# KiCad board yeti.kicad_pcb (continued)
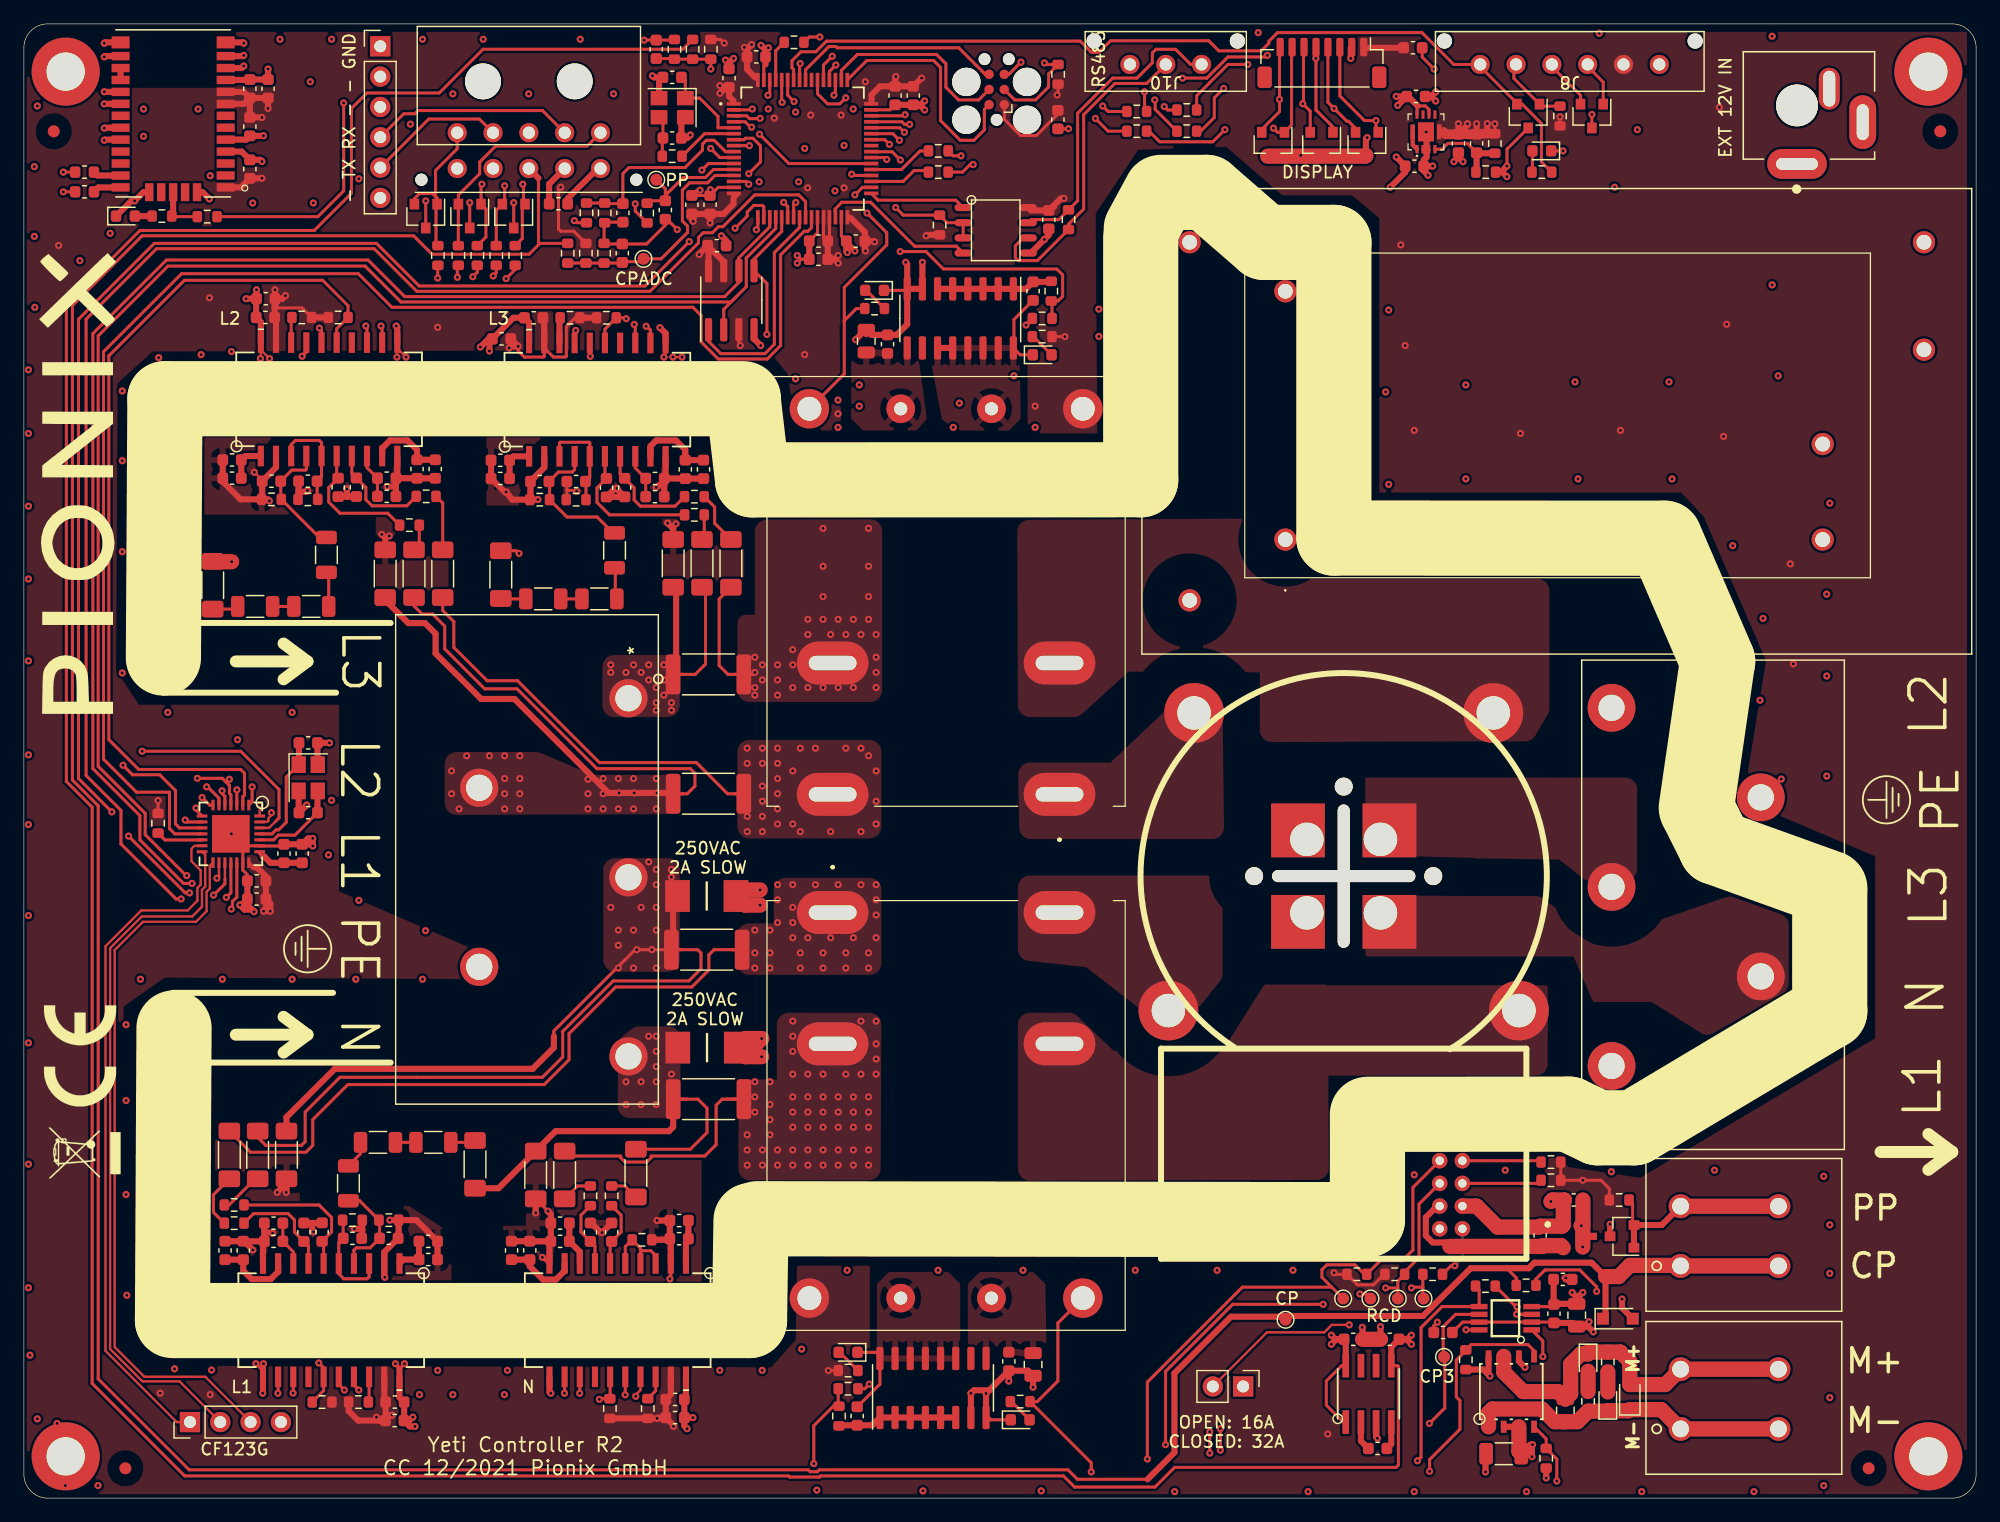
[diagram p0: board, top side]
## Footprints (pads in the part's own frame, mm; a bottom-side part is the same pattern mirrored in y, then rotated)
2604-1102
  round 2 hole 1.4: 1(0,0) 2(0,-8.2) 3(5,0) 4(5,-8.2)
2606-1105_010-000
  round 4 hole 2.2: 1(-15,6.5) 2(-7.5,-6) 3(0,6.5) 4(7.5,-6) 5(15,6.5)
2606-1105_increased_creepage
  round 3.2 hole 2.2: 1(-15,6.5) 2(-7.5,-6) 3(0,6.5) 4(7.5,-6) 5(15,6.5)
66200311122
  round 1.27 hole 1.27 unplated: (-6,-1.96) (6,-1.96)
  round 1.6 hole 1.02: 1(3,0) 2(0,0) 3(-3,0)
66200611122
  round 1.27 hole 1.27 unplated: (-10.5,-1.96) (10.5,-1.96)
  round 1.6 hole 1.02: 1(7.5,0) 2(4.5,0) 3(1.5,0) 4(-1.5,0) 5(-4.5,0) 6(-7.5,0)
66201021022_66201021122
  round 1.02 hole 1.02 unplated: (-9,3.94) (9,3.94)
  round 3 hole 3 unplated: (-3.84,-4.3) (3.84,-4.3)
  round 1.6 hole 1.02: 1(-6,3) 2(-3,3) 3(0,3) 4(3,3) 5(6,3) 6(-6,0) 7(-3,0) 8(0,0) 9(3,0) 10(6,0)
ADE7933ARIZ
  rect 1.721x0.511 smd: 1(-4.75,5.715) 2(-4.75,4.445) 3(-4.75,3.175) 4(-4.75,1.905) 5(-4.75,0.635) 6(-4.75,-0.635) 7(-4.75,-1.905) 8(-4.75,-3.175) 9(-4.75,-4.445) 10(-4.75,-5.715) 11(4.75,-5.715) 12(4.75,-4.445) 13(4.75,-3.175) 14(4.75,-1.905) 15(4.75,-0.635) 16(4.75,0.635) 17(4.75,1.905) 18(4.75,3.175) 19(4.75,4.445) 20(4.75,5.715)
ADE7978ACPZ-RL
  rect 1x1 smd: (-0.8,0.8) (-0.8,-0.8) (0.8,0.8) (0.8,-0.8)
  rect 0.889x0.254 smd: 1(-2.413,1.5) 2(-2.413,1) 3(-2.413,0.5) 4(-2.413,0) 5(-2.413,-0.5) 6(-2.413,-1) 7(-2.413,-1.5) 15(2.413,-1.5) 16(2.413,-1) 17(2.413,-0.5) 18(2.413,0) 19(2.413,0.5) 20(2.413,1) 21(2.413,1.5)
  rect 0.254x0.889 smd: 8(-1.5,-2.413) 9(-1,-2.413) 10(-0.5,-2.413) 11(0,-2.413) 12(0.5,-2.413) 13(1,-2.413) 14(1.5,-2.413) 22(1.5,2.413) 23(1,2.413) 24(0.5,2.413) 25(0,2.413) 26(-0.5,2.413) 27(-1,2.413) 28(-1.5,2.413)
  rect 3.15x3.15 smd: 29(0,0)
AHES4291
  oval 6x3.6 hole 4x1.2: 1(9.5,-15.55) 2(9.5,-4.55) 7(-9.5,-4.55) 8(-9.5,-15.55)
  round 3.3 hole 2: 3(11.45,16.75) 6(-11.45,16.75)
  round 2.4 hole 1.1: 4(3.8,16.75) 5(-3.8,16.75)
BD6221F-E2
  rect 1.016x0.483 smd: 1(-2.946,1.905) 2(-2.946,0.635) 3(-2.946,-0.635) 4(-2.946,-1.905) 5(2.946,-1.905) 6(2.946,-0.635) 7(2.946,0.635) 8(2.946,1.905)
C_0603_1608Metric
  rrect 0.9x0.95 smd: 1(-0.775,0) 2(0.775,0)
C_0805_2012Metric
  rrect 1x1.45 smd: 1(-0.95,0) 2(0.95,0)
C_1206_3216Metric
  rrect 1.15x1.8 smd: 1(-1.475,0) 2(1.475,0)
Crystal_SMD_SeikoEpson_FA238-4Pin_3.2x2.5mm
  rect 1.4x1.2 smd: 1(-1.1,-0.8) 2(1.1,-0.8) 3(1.1,0.8) 4(-1.1,0.8)
CUI_PJ-032B
  round 3.5 hole 3.5 unplated: (0,0)
  oval 2.5x5 hole 1x3.5: 1(-4.9,0)
  oval 4.5x2.25 hole 3x1: 2(-1.4,-5.5)
  oval 3.5x1.75 hole 3x1: 3(1.4,-2.7)
D_SOD-323
  rect 0.6x0.45 smd: 1(-1.05,0) 2(1.05,0)
D_SOD-323_HandSoldering
  rect 1x1 smd: 1(-1.25,0) 2(1.25,0)
Fiducial_1mm_Mask3mm
  round 1 smd: (0,0)
FUSC6125X236N
  rect 2.07x2.66 smd: 1(-2.45,0) 2(2.45,0)
JST_SH_BM08B-SRSS-TB_1x08-1MP_P1.00mm_Vertical
  rrect 0.6x1.55 smd: 1(-3.5,-1.325) 2(-2.5,-1.325) 3(-1.5,-1.325) 4(-0.5,-1.325) 5(0.5,-1.325) 6(1.5,-1.325) 7(2.5,-1.325) 8(3.5,-1.325)
  rrect 1.2x1.8 smd: MP(-4.8,1.2) MP(4.8,1.2)
L_0603_1608Metric
  rrect 0.875x0.95 smd: 1(-0.787,0) 2(0.787,0)
L_1806_4516Metric
  rrect 1.4x1.8 smd: 1(-2,0) 2(2,0)
LCC100P960X1400X210-31N
  rect 1.5x0.7 smd: 1(4.4,-6.2) 2(4.4,-5.2) 3(4.4,-4.2) 4(4.4,-3.2) 5(4.4,-2.2) 6(4.4,-1.2) 7(4.4,-0.2) 8(4.4,0.8) 9(4.4,1.8) 10(4.4,2.8) 11(4.4,3.8) 12(4.4,4.8) 15(-4.4,4.8) 16(-4.4,3.8) 17(-4.4,2.8) 18(-4.4,1.8) 19(-4.4,0.8) 20(-4.4,-0.2) 21(-4.4,-1.2) 22(-4.4,-2.2) 23(-4.4,-3.2) 24(-4.4,-4.2) 25(-4.4,-5.2) 26(-4.4,-6.2)
  rect 1.5x1 smd: 13(4.4,5.95) 14(-4.4,5.95)
  rect 0.7x1.5 smd: 27(-2,-6.6) 28(-1,-6.6) 29(0,-6.6) 30(1,-6.6) 31(2,-6.6)
LED_0603_1608Metric
  rrect 0.875x0.95 smd: 1(-0.787,0) 2(0.787,0)
MountingHole_3.2mm_M3_ISO7380_Pad_TopBottom
  round 3.6 hole 3.2: 1(0,0)
  round 5.7 smd: 1(0,0)
  round 5.7 smd far side: 1(0,0)
MPM3012_dualsocket
  round 1.86 hole 1.24: 1(22.733,9.906) 1(30.75,15) 2(22.733,-10.894) 2(30.75,-15) 3(-30.75,-15) 3(-22.267,1.906) 4(-30.75,-6) 4(-22.267,9.906)
MYRGC075050S31RA
  rect 0.37x1.4 smd: (-0.385,0) (0.385,0)
  rect 0.25x0.7 smd: 1(-0.75,-1.45) 2(-0.25,-1.45) 3(0.25,-1.45) 4(0.75,-1.45) 5(0.75,1.45) 6(0.25,1.45) 7(-0.25,1.45) 8(-0.75,1.45)
  rect 0.38x1.25 smd: 9(-1.11,0) 10(1.11,0)
  rect 1.34x1.6 smd: 11(0,0)
PinHeader_1x02_P2.54mm_Vertical
  rect 1.7x1.7 hole 1: 1(0,0)
  oval 1.7x1.7 hole 1: 2(0,-2.54)
PinHeader_1x04_P2.54mm_Vertical
  rect 1.7x1.7 hole 1: 1(0,0)
  oval 1.7x1.7 hole 1: 2(0,-2.54) 3(0,-5.08) 4(0,-7.62)
PinHeader_1x06_P2.54mm_Vertical
  rect 1.7x1.7 hole 1: 1(0,0)
  oval 1.7x1.7 hole 1: 2(0,-2.54) 3(0,-5.08) 4(0,-7.62) 5(0,-10.16) 6(0,-12.7)
R_0603_1608Metric
  rrect 0.8x0.95 smd: 1(-0.825,0) 2(0.825,0)
R_1206_3216Metric
  rrect 1.125x1.75 smd: 1(-1.462,0) 2(1.462,0)
SOIC-8_3.9x4.9mm_P1.27mm
  rrect 1.95x0.6 smd: 1(-2.475,1.905) 2(-2.475,0.635) 3(-2.475,-0.635) 4(-2.475,-1.905) 5(2.475,-1.905) 6(2.475,-0.635) 7(2.475,0.635) 8(2.475,1.905)
SOIC-16_3.9x9.9mm_P1.27mm
  rrect 1.95x0.6 smd: 1(-2.475,4.445) 2(-2.475,3.175) 3(-2.475,1.905) 4(-2.475,0.635) 5(-2.475,-0.635) 6(-2.475,-1.905) 7(-2.475,-3.175) 8(-2.475,-4.445) 9(2.475,-4.445) 10(2.475,-3.175) 11(2.475,-1.905) 12(2.475,-0.635) 13(2.475,0.635) 14(2.475,1.905) 15(2.475,3.175) 16(2.475,4.445)
SOP65P490X110-8N
  rect 1.4x0.45 smd: 1(-2.2,0.975) 2(-2.2,0.325) 3(-2.2,-0.325) 4(-2.2,-0.975) 5(2.2,-0.975) 6(2.2,-0.325) 7(2.2,0.325) 8(2.2,0.975)
SOT95P280X145-3N
  rect 1.05x0.6 smd: 1(-1.3,0.95) 2(-1.3,-0.95) 3(1.3,0)
SOT-23
  rect 0.9x0.8 smd: 1(-1,0.95) 2(-1,-0.95) 3(1,0)
STM32G431RBT6
  rect 1.194x0.305 smd: 1(-5.75,3.75) 2(-5.75,3.25) 3(-5.75,2.75) 4(-5.75,2.25) 5(-5.75,1.75) 6(-5.75,1.25) 7(-5.75,0.75) 8(-5.75,0.25) 9(-5.75,-0.25) 10(-5.75,-0.75) 11(-5.75,-1.25) 12(-5.75,-1.75) 13(-5.75,-2.25) 14(-5.75,-2.75) 15(-5.75,-3.25) 16(-5.75,-3.75) 33(5.75,-3.75) 34(5.75,-3.25) 35(5.75,-2.75) 36(5.75,-2.25) 37(5.75,-1.75) 38(5.75,-1.25) 39(5.75,-0.75) 40(5.75,-0.25) 41(5.75,0.25) 42(5.75,0.75) 43(5.75,1.25) 44(5.75,1.75) 45(5.75,2.25) 46(5.75,2.75) 47(5.75,3.25) 48(5.75,3.75)
  rect 0.305x1.194 smd: 17(-3.75,-5.75) 18(-3.25,-5.75) 19(-2.75,-5.75) 20(-2.25,-5.75) 21(-1.75,-5.75) 22(-1.25,-5.75) 23(-0.75,-5.75) 24(-0.25,-5.75) 25(0.25,-5.75) 26(0.75,-5.75) 27(1.25,-5.75) 28(1.75,-5.75) 29(2.25,-5.75) 30(2.75,-5.75) 31(3.25,-5.75) 32(3.75,-5.75) 49(3.75,5.75) 50(3.25,5.75) 51(2.75,5.75) 52(2.25,5.75) 53(1.75,5.75) 54(1.25,5.75) 55(0.75,5.75) 56(0.25,5.75) 57(-0.25,5.75) 58(-0.75,5.75) 59(-1.25,5.75) 60(-1.75,5.75) 61(-2.25,5.75) 62(-2.75,5.75) 63(-3.25,5.75) 64(-3.75,5.75)
T60404-N4641-X920
  round 1.5 hole 1.5 unplated: (-7.5,0) (0,7.5) (7.5,0)
  oval 1x12 hole 1x12 unplated: (0,0)
  oval 12x1 hole 12x1 unplated: (0,0)
  round 1.3 hole 0.7: 1(9.94,-23.84) 2(8.04,-23.84) 3(9.94,-25.74) 4(8.04,-25.74) 5(9.94,-27.64) 6(8.04,-27.64) 7(9.94,-29.54) 8(8.04,-29.54)
  round 5 hole 2.8: 9(-14.68,-11.26) 11(-12.53,13.67) 13(12.53,13.67) 15(14.68,-11.26)
  custom 4.5x4.5 hole 2.8: 10(-3.08,-3.08) 12(-3.08,3.08) 14(3.08,3.08) 16(3.08,-3.08)
Tag-Connect_TC2030-IDC-FP_2x03_P1.27mm_Vertical
  round 2.375 hole 2.375 unplated: (-2.54,2.54) (-2.54,-2.54) (0.635,2.54) (0.635,-2.54)
  round 0.991 hole 0.991 unplated: (-2.54,0) (2.54,1.016) (2.54,-1.016)
  round 0.787 smd: 1(-1.27,-0.635) 2(-1.27,0.635) 3(0,-0.635) 4(0,0.635) 5(1.27,-0.635) 6(1.27,0.635)
TC1044SEOA
  rect 1.981x0.559 smd: 1(-2.362,1.905) 2(-2.362,0.635) 3(-2.362,-0.635) 4(-2.362,-1.905) 5(2.362,-1.905) 6(2.362,-0.635) 7(2.362,0.635) 8(2.362,1.905)
TestPoint_Pad_D1.0mm
  round 1 smd: 1(0,0)
THVD1450DR
  oval 1.45x0.6 smd: 1(-2.725,1.905) 2(-2.725,0.635) 3(-2.725,-0.635) 4(-2.725,-1.905) 5(2.725,-1.905) 6(2.725,-0.635) 7(2.725,0.635) 8(2.725,1.905)
WSLF2512L5000FEA
  rrect 1.225x3.35 smd: 1(-2.962,0) 2(2.962,0)
  rect 0.508x0.254 smd: 1(-2.286,0) 2(2.286,0)

## Nets
+3V3: C3.2 C4.2 C19.2 C20.2 C29.2 C30.2 C41.2 C42.2 C53.2 C54.2 C56.1 C57.1 C58.1 C59.1 C60.1 C61.1 C62.1 C64.1 C65.1 C66.1 C67.1 C68.2 C69.1 C72.2 C73.2 C75.2 C76.2 C83.1 C84.1 J7.1 J8.5 J13.1 K1.3 K2.3 PS1.10 R1.1 R14.1 R33.1 R35.1 R44.2 R45.2 R49.2 R50.2 R59.2 R60.2 R69.2 R70.2 R75.1 R77.1 R81.2 R83.2 R91.1 R115.1 R129.1 R130.1 R131.1 R134.1 U3.3 U3.7 U3.8 U4.1 U4.8 U4.9 U10.21 U11.19 U12.19 U13.19 U14.19 U16.1 U16.16 U16.28 U16.29 U16.32 U16.48 U16.64 U20.8
+5V: C79.1 U5.2 U29.6
+12V: C1.2 C2.2 C55.1 C63.1 C74.1 C77.2 C80.1 C85.1 C86.2 C94.2 C95.2 C104.1 C110.2 J9.1 K1.5 K2.5 PS1.6 PS1.8 PS3.3 R86.1 U1.1 U5.3 U9.9 U15.4 U15.8 U25.2 U25.3 U25.6 U27.9 U28.1 U28.8
-12V: C55.2 C74.2 C87.1 C111.2 R90.2 U15.2 U15.7 U28.5
/Power Meter/AFE_A/AGND_ADC: C9.2 C10.1 C11.2 C12.1 C13.1 C14.1 C15.1 C16.1 C17.1 C18.1 FB3.1 R42.1 R43.2 U11.2 U11.10
/Power Meter/AFE_A/V1P: C11.1 R39.1 R42.2 U11.4
/Power Meter/AFE_B/AGND_ADC: C31.2 C32.1 C33.2 C34.1 C35.1 C36.1 C37.1 C38.1 C39.1 C40.1 FB10.1 R57.1 R58.2 U13.2 U13.10
/Power Meter/AFE_B/V1P: C33.1 R54.1 R57.2 U13.4
/Power Meter/AFE_C/AGND_ADC: C43.2 C44.1 C45.2 C46.1 C47.1 C48.1 C49.1 C50.1 C51.1 C52.1 FB14.1 R67.1 R68.2 U14.2 U14.10
/Power Meter/AFE_C/V1P: C45.1 R64.1 R67.2 U14.4
/Power Meter/Neutral AFE/AGND_ADC: C21.2 C22.1 C23.1 C24.1 C25.1 C26.1 C27.1 C28.1 FB6.1 R110.1 U12.2 U12.10
/Power Meter/Neutral AFE/V1P: R110.2 U12.3 U12.4 U12.5
GND: C1.1 C2.1 C3.1 C4.1 C5.1 C6.1 C7.1 C8.1 C19.1 C20.1 C29.1 C30.1 C41.1 C42.1 C53.1 C54.1 C56.2 C57.2 C58.2 C59.2 C60.2 C61.2 C62.2 C63.2 C64.2 C65.2 C66.2 C67.2 C68.1 C69.2 C70.1 C71.1 C72.1 C73.1 C75.1 C76.1 C77.1 C79.2 C80.2 C81.2 C82.2 C84.2 C85.2 C86.1 C87.2 C88.2 C89.2 C94.1 C95.1 C104.2 C110.1 C111.1 D2.3 D3.3 D4.3 D5.3 D6.3 D7.3 D8.3 D9.3 D10.1 D11.1 D14.2 D15.1 D16.3 D36.1 H1.1 H2.1 H3.1 H4.1 J1.4 J3.4 J5.4 J6.1 J7.2 J8.6 J9.2 J10.1 J11.1 J13.5 PS1.2 PS1.3 PS1.11 PS3.4 R15.2 R17.2 R29.2 R71.2 R76.2 R87.2 R92.2 R98.2 R99.2 R114.2 U1.2 U1.4 U1.8 U3.4 U4.4 U4.5 U4.10 U4.11 U4.12 U4.13 U4.14 U4.15 U4.18 U4.19 U4.21 U4.22 U4.27 U4.31 U5.1 U9.7 U9.8 U10.20 U10.23 U10.29 U11.11 U11.20 U12.11 U12.20 U13.11 U13.20 U14.11 U14.20 U15.3 U16.15 U16.27 U16.31 U16.47 U16.63 U20.5 U25.8 U27.7 U27.8 U28.3 U29.5 Y1.2 Y1.4 Y2.2 Y2.4
/CAM-M8Q/1PPS: R13.2 R16.2 U4.29
/CAM-M8Q/RF: U4.16 U4.17
/CAM-M8Q/RXD: FB16.2 U16.22
/CAM-M8Q/TXD: FB17.1 U16.23
/CP_EVSE: D14.1 J2.1 J2.2 R72.1 R74.2 TP1.1 U1.3
/Display/DISPLAY_DC: R10.2 U16.44
/Display/DISPLAY_RESET: R11.2 U16.45
/Display/GPIO: R9.2 U16.43
/Display/SPI_CS: R12.2 U16.46
/Display/SPI_MOSI: R8.2 U16.37
/Display/SPI_SCK: R7.2 U16.35
/EVSE Charging port/CP_3V3: TP5.1 U15.6 U16.8
/EVSE Charging port/CP_ENABLE: R71.1 U15.5 U16.62
/EVSE Charging port/CP_OUT_ADC: C88.1 R74.1 R75.2 R76.1 TP6.1 U16.13
/EVSE Charging port/EVSE_PP: D8.1 D8.2 J2.3 J2.4 R77.2 R113.1
/EVSE Charging port/L1_IN: J3.1 U29.10
/EVSE Charging port/L2_IN: J3.5 U29.12
/EVSE Charging port/L3_IN: J3.3 U29.14
/EVSE Charging port/N_IN: J3.2 U29.16
/EVSE Charging port/PP_3V3: C89.1 R113.2 TP7.1 U16.12
/Hi Level Connector/SLEEP: R6.2 U16.18
/Low Level Controller/ADC_12V: C81.1 R86.2 R87.1 U16.9
/Low Level Controller/ADC_N12V: C82.1 R90.1 R91.2 R92.1 U16.10
/Low Level Controller/CFG: J11.2 U16.40
/Low Level Controller/FRAM_CS: U3.1 U16.24
/Low Level Controller/GPIO1: D9.2 J8.1 R93.2 U16.58
/Low Level Controller/GPIO2: D9.1 J8.2 R1.2 U16.42
/Low Level Controller/GPIO3: D16.2 J8.3 U16.53
/Low Level Controller/GPIO4: D16.1 J8.4 U16.52
/Low Level Controller/LOCK_F: R98.1 U16.59 U25.4
/Low Level Controller/LOCK_R: R99.1 U16.60 U25.5
/Low Level Controller/METER_CS: U10.16 U16.25
/Low Level Controller/MIRROR_L1: K2.6 R32.2 U16.54
/Low Level Controller/MIRROR_L2L3: K1.6 R31.2 U16.34
/Low Level Controller/NRESET: J13.3 R3.2 R83.1 U16.7
/Low Level Controller/PM_IRQ0: U10.10 U16.11
/Low Level Controller/PM_IRQ1: U10.11 U16.26
/Low Level Controller/POWER_SWITCH_L1: R27.2 R29.1 U16.51
/Low Level Controller/POWER_SWITCH_L2L3: R28.2 R114.1 U16.39
/Low Level Controller/SWCLK: J13.4 U16.50
/Low Level Controller/SWDIO: J13.2 U16.49
/Low Level Controller/SWO: J13.6 U16.56
/Low Level Controller/UART2_RX: R4.2 U16.17
/Low Level Controller/UART2_TX: R5.2 U16.14
/Low Level Controller/UART3_DE: R81.1 U16.36 U20.2 U20.3
/Low Level Controller/UART3_RX: U16.33 U20.1
/Low Level Controller/UART3_TX: U16.30 U20.4
/MISO: U3.2 U10.18 U16.20
/MOSI: U3.5 U10.19 U16.21
/Power Meter/AFE_A/DATA: R44.1 U10.28 U11.15
/Power Meter/AFE_A/IM: C10.2 R41.2 U11.6
/Power Meter/AFE_A/IP: C9.1 R40.2 U11.7
/Power Meter/AFE_A/VM: C12.2 R43.1 U11.3 U11.5
/Power Meter/AFE_A/VT: U10.27 U11.17
/Power Meter/AFE_B/DATA: R59.1 U10.2 U13.15
/Power Meter/AFE_B/IM: C32.2 R56.2 U13.6
/Power Meter/AFE_B/IP: C31.1 R55.2 U13.7
/Power Meter/AFE_B/VM: C34.2 R58.1 U13.3 U13.5
/Power Meter/AFE_B/VT: U10.1 U13.17
/Power Meter/AFE_C/DATA: R69.1 U10.7 U14.15
/Power Meter/AFE_C/IM: C44.2 R66.2 U14.6
/Power Meter/AFE_C/IP: C43.1 R65.2 U14.7
/Power Meter/AFE_C/VM: C46.2 R68.1 U14.3 U14.5
/Power Meter/AFE_C/VT: U10.6 U14.17
/Power Meter/CF1: J5.1 U10.13
/Power Meter/CF2: J5.2 U10.14
/Power Meter/CF3: J5.3 U10.15
/Power Meter/CLKOUT: U10.4 U11.13 U12.13 U13.13 U14.13
/Power Meter/L1_IN: F1.2 FB3.2 FB4.2 J1.3 R36.2
/Power Meter/L1_OUT: FB2.2 K2.1 R36.1
/Power Meter/L2_IN: FB10.2 FB11.2 J1.2 R51.2
/Power Meter/L2_OUT: FB9.2 K1.8 R51.1
/Power Meter/L3_IN: FB14.2 FB15.2 J1.1 R61.2
/Power Meter/L3_OUT: FB13.2 K1.7 R61.1
/Power Meter/N_IN: F2.2 FB1.2 FB6.2 FB7.2 FB8.2 FB12.2 J1.5 R46.2
/Power Meter/N_OUT: FB5.2 K2.2 R46.1
/Power Meter/Neutral AFE/DATA: R49.1 U10.9 U12.15
/Power Meter/Neutral AFE/IM: C22.2 R48.2 U12.6
/Power Meter/Neutral AFE/IP: C21.1 R47.2 U12.7
/Power Meter/Neutral AFE/VT: U10.8 U12.17
/Power Meter/RESET_EN: U10.3 U11.16 U12.16 U13.16 U14.16
/Power Meter/SYNC: U10.5 U11.12 U12.12 U13.12 U14.12
/Power Supplies/L: F1.1 PS3.2
/Power Supplies/N: F2.1 PS3.1
/Power Switch Relais/L1_OUT: K2.8 U29.9
/Power Switch Relais/L2_OUT: K1.1 U29.11
/Power Switch Relais/L3_OUT: K1.2 U29.13
/Power Switch Relais/N_OUT: K2.7 U29.15
/Power Switch Relais/RELAIS1: C93.1 D12.1 K2.4 U9.11 U9.12 U9.13 U9.14 U9.15 U9.16
/Power Switch Relais/RELAIS2: C91.1 D13.1 K1.4 U27.11 U27.12 U27.13 U27.14 U27.15 U27.16
/RCD_AC_ERROR: R131.2 TP3.1 U16.4 U29.4
/RCD_DC_ERROR: R130.2 TP9.1 U16.3 U29.3
/RCD_PWM: R132.1 TP8.1 U16.38
/RCD_TEST: R134.2 TP4.1 U16.2 U29.2
/SCK: U3.6 U10.17 U16.19
/ZC: R2.2 U10.26
Net-(C5-Pad2): C5.2 C6.2 U10.22
Net-(C7-Pad2): C7.2 U10.25 Y1.1
Net-(C8-Pad2): C8.2 U10.24 Y1.3
Net-(C13-Pad2): C13.2 C16.2 U11.8
Net-(C14-Pad2): C14.2 C17.2 U11.9
Net-(C15-Pad2): C15.2 C18.2 U11.1
Net-(C23-Pad2): C23.2 C26.2 U12.8
Net-(C24-Pad2): C24.2 C27.2 U12.9
Net-(C25-Pad2): C25.2 C28.2 U12.1
Net-(C35-Pad2): C35.2 C38.2 U13.8
Net-(C36-Pad2): C36.2 C39.2 U13.9
Net-(C37-Pad2): C37.2 C40.2 U13.1
Net-(C47-Pad2): C47.2 C50.2 U14.8
Net-(C48-Pad2): C48.2 C51.2 U14.9
Net-(C49-Pad2): C49.2 C52.2 U14.1
Net-(C70-Pad2): C70.2 U16.5 Y2.1
Net-(C71-Pad2): C71.2 R84.1 Y2.3
Net-(C78-Pad1): C78.1 D1.1 D39.1 J4.1 J4.2 R100.1 U25.1
Net-(C78-Pad2): C78.2 D1.2 D38.1 J4.3 J4.4 R101.1 U25.7
Net-(C83-Pad2): C83.2 PS1.4 R14.2 R15.1
Net-(C91-Pad2): C91.2 R28.1 U27.1 U27.2 U27.3 U27.4 U27.5 U27.6
Net-(C93-Pad2): C93.2 R27.1 U9.1 U9.2 U9.3 U9.4 U9.5 U9.6
Net-(C109-Pad1): C109.1 U28.2
Net-(C109-Pad2): C109.2 U28.4
Net-(D2-Pad1): D2.1 R2.1 U1.5
Net-(D2-Pad2): D2.2 R3.1 U1.6
Net-(D3-Pad1): D3.1 J6.4 R4.1 U1.7
Net-(D3-Pad2): D3.2 J6.5 R5.1 U1.9
Net-(D4-Pad1): D4.1 D4.2 R6.1 U1.10
Net-(D5-Pad1): D5.1 J7.3 R7.1
Net-(D5-Pad2): D5.2 J7.4 R8.1
Net-(D6-Pad1): D6.1 J7.5 R9.1
Net-(D6-Pad2): D6.2 J7.6 R10.1
Net-(D7-Pad1): D7.1 J7.7 R11.1
Net-(D7-Pad2): D7.2 J7.8 R12.1
Net-(D10-Pad2): D10.2 R31.1
Net-(D11-Pad2): D11.2 R32.1
Net-(D12-Pad2): D12.2 R33.2
Net-(D13-Pad2): D13.2 R115.2
Net-(D15-Pad2): D15.2 R13.1
Net-(D36-Pad2): D36.2 R93.1
Net-(D38-Pad2): D38.2 R100.2
Net-(D39-Pad2): D39.2 R101.2
Net-(FB1-Pad1): FB1.1 R37.2
Net-(FB2-Pad1): FB2.1 R40.1
Net-(FB4-Pad1): FB4.1 R41.1
Net-(FB5-Pad1): FB5.1 R47.1
Net-(FB7-Pad1): FB7.1 R48.1
Net-(FB8-Pad1): FB8.1 R52.2
Net-(FB9-Pad1): FB9.1 R55.1
Net-(FB11-Pad1): FB11.1 R56.1
Net-(FB12-Pad1): FB12.1 R62.2
Net-(FB13-Pad1): FB13.1 R65.1
Net-(FB15-Pad1): FB15.1 R66.1
Net-(FB16-Pad1): FB16.1 U4.26
Net-(FB17-Pad2): FB17.2 U4.25
Net-(J10-Pad2): J10.2 R82.1 U20.6
Net-(J10-Pad3): J10.3 R82.2 U20.7
Net-(PS1-Pad1): PS1.1 PS1.9
Net-(R16-Pad1): R16.1 U16.57
Net-(R17-Pad1): R17.1 U16.61
Net-(R35-Pad2): R35.2 U10.12
Net-(R37-Pad1): R37.1 R38.2
Net-(R38-Pad1): R38.1 R39.2
Net-(R45-Pad1): R45.1 U11.18
Net-(R50-Pad1): R50.1 U12.18
Net-(R52-Pad1): R52.1 R53.2
Net-(R53-Pad1): R53.1 R54.2
Net-(R60-Pad1): R60.1 U13.18
Net-(R62-Pad1): R62.1 R63.2
Net-(R63-Pad1): R63.1 R64.2
Net-(R70-Pad1): R70.1 U14.18
Net-(R72-Pad2): R72.2 U15.1
Net-(R84-Pad2): R84.2 U16.6
Net-(R129-Pad2): R129.2 U29.1
Net-(R132-Pad2): R132.2 U29.7

Pads without a net: J6 2 3 6; J7 MP; J9 3; PS1 5 7; U4 2 3 6 7 20 23 24 28 30; U9 10; U11 14; U12 14; U13 14; U14 14; U16 41 55; U27 10; U28 6 7; U29 8

## Via types
v1: diameter 0.6, hole 0.25, 1_F_TOP_Signal_Pwr to 8_B_BOTTOM_GND, 718 vias

## Routing (per net, layer and track width the routed paths; a pad name or vN(x,y) marks a point on that pad's centre or on a via; arc(x,y) is an arc through that point)
+3V3: length 158.8
  1_F_TOP_Signal_Pwr w0.254: U16.29 67.47,105.45 C64.1 66.97,105.66 U16.28 ; U14.19 43.58,95.66 43.51,95.59 41.92,95.59 41.4,96.1 v1(41.4,96.49) 41.26,96.35 v1(40.64,96.35) ; 121.72,114.31 C83.1 v1(121.67,115.13) ; 69.22,107.27 68.99,107.27 U16.32 ; R60.2 23.31,99.7 21.01,99.7 21,99.7 ; U10.21 18.86,53.23 19.37,52.73 ; 128.72,28.15 128.72,26.63 v1(130.56,26.63) 132.08,26.63 132.78,25.93 R77.1 ; R75.1 46.05,106.13 44.96,106.13 44.77,106.31 44.77,109.63 v1(44.96,109.81) ; R35.1 v1(11.24,58.44) ; U3.3 59.88,96.67 v1(59.99,96.56) ; J13.1 82.11,115.51 83.47,114.15 84.8,114.15 86.6,115.95 C68.2 ; C54.2 43.47,96.47 44.34,95.59 45.36,95.59 45.43,95.66 45.43,98.14 46.17,98.88 R70.2 ; v1(58.66,121.89) 58.36,122.19 R91.1 ; R33.1 v1(67.37,10.69) ; 70.99,117.18 70.99,116.83 U16.48 ; v1(86.54,117.54) 86.62,117.62 R83.2 ; v1(109.73,18.88) 109.86,18.75 R134.1 111.7,17.86 113.03,17.86 113.92,18.75 R131.1 ; PS1.10 118.76,114.45 ; R1.1 v1(128.65,115.71) ; 59.47,109.15 U16.16 59.44,109.27 59.44,108.92 59.56,108.92 59.82,109.18 ; 59.44,117.05 59.44,116.83 U16.1 ; R115.1 v1(87.19,97.3) ; 61.26,119 U16.64 ; R14.1 v1(123.19,115.13)
  1_F_TOP_Signal_Pwr w0.508: v1(21.91,100.73) 21.65,100.48 C41.2 ; 59.44,117.05 59.06,117.43 59.06,118.18 ; R49.2 R50.2 53.7,6.68 C29.2 ; C67.1 86.13,108.17 86.29,108.17 ; C67.1 84.36,107.87 U20.8 ; C67.1 86.84,108.88 v1(87.11,108.88) ; v1(75.57,105.75) 75.65,105.83 R81.2 ; v1(41.4,96.49) C53.2 40.78,96.49 v1(40.64,96.35) ; v1(122.56,115.15) 122.56,114.51 122.35,114.31 ; 61.26,119 60.57,119.7 C61.1 ; v1(73.03,119.08) 72.96,119.02 C58.1 ; R60.2 R59.2 ; v1(54.4,6) 54.4,6.1 C29.2 ; C69.1 57.34,104.85 U3.8 ; C69.1 56.56,104.22 v1(56.56,104.18) ; C69.1 58.61,103.58 U3.7 ; C29.2 53.09,6.74 v1(53.03,6.68) ; C29.2 C30.2 54.18,8.69 U12.19 ; 67.88,103.78 C65.1 C64.1 ; 67.88,103.78 v1(68.2,103.46) ; 67.88,103.78 v1(68.2,104.1) ; C57.1 71.18,105.3 v1(71.25,105.24) ; C57.1 70.44,104.53 v1(70.49,104.48) ; C57.1 70.44,106.05 69.22,107.27 ; C56.1 v1(57.47,106.83) ; C56.1 58.6,107.58 59.44,108.41 59.44,108.92 ; C56.1 C62.1 55.94,107.07 v1(56.05,106.96) ; 59.06,118.18 58.79,118.18 v1(58.29,117.69) ; 59.06,118.18 58.43,118.18 v1(58.29,118.32) ; C19.2 30.3,6.52 C20.2 30.18,8.16 U11.19 ; C19.2 29.81,6.5 v1(29.53,6.78) ; C19.2 28,6.5 27.2,7.3 R45.2 ; C19.2 30.74,6.96 v1(30.85,6.96) ; C41.2 21,100.45 21,99.7 ; C41.2 v1(21.03,101.23) ; C61.1 60.57,121.39 v1(60.94,121.77) ; C61.1 60.57,121.31 v1(60.34,121.53) ; C58.1 71.71,118.27 70.99,117.56 70.99,116.9 ; C58.1 C60.1 74.5,118.27 v1(75.19,118.96) ; R70.2 R69.2 ; C75.2 C72.2 v1(20.45,116.42) ; C75.2 C76.2 19.93,115.67 v1(19.94,115.65) ; C75.2 18.43,116.8 U4.8 ; C75.2 18.42,117.8 U4.9 ; C3.2 20.64,49.82 v1(20.64,49.17) 20.08,49.17 v1(20.07,49.17) 20.27,49.37 C3.2 ; C3.2 C4.2 20.27,52.08 19.5,52.85 19.24,52.85 ; 121.72,114.31 121.67,114.36 v1(121.67,115.13) ; U13.19 21.12,98.79 C42.2 21,99.7 ; 21,99.7 21.12,99.81 ; 118.89,114.45 118.76,114.45 ; v1(120.14,115.13) C84.1 120.91,115.02 v1(120.91,115.13) ; C66.1 112.26,121.5 J7.1 ; v1(19.94,110.57) 19.93,110.56 C73.2 18.16,109.8 U4.1 ; U14.19 43.58,98.77 C54.2
  1_F_TOP_Signal_Pwr w0.8: R14.1 121.72,114.31 ; C83.1 C84.1 119.08,114.26 118.89,114.45
  vias: v1(2.91,104.94) v1(11.42,8.8) v1(15.54,100.56) v1(15.61,8.67) v1(34.66,98.08) v1(62.85,115.61) v1(65.39,95.79) v1(65.64,109.76) v1(65.9,115.86) v1(68.18,90.84) v1(68.44,115.86) v1(68.69,109.76) v1(69.96,91.48) v1(70.47,118.65) v1(78.34,91.73) v1(84.69,91.48) v1(109.21,5.37) v1(115.32,104.99) v1(115.68,96.56) v1(116.44,89.44) v1(125.33,89.19) v1(133.72,89.44) v1(142,116.5) v1(142.35,88.94) v1(142.61,98.33) v1(147.94,78.27) v1(148.19,69.89)
+5V: length 16.6
  1_F_TOP_Signal_Pwr w0.508: U29.6 118.36,24.47 117.41,23.52 117.41,21.99 117.98,21.42 119.1,21.42 119.43,21.09 ; 128.92,20.98 127.43,20.98 127.41,21
  1_F_TOP_Signal_Pwr w1.27: 128.92,20.98 128.75,21.15 127.25,21.15 127.19,21.09 119.43,21.09
+12V: length 453.8
  1_F_TOP_Signal_Pwr w0.254: 128.59,16.27 128.36,16.04 U15.4 ; R86.1 46.35,106.84 ; U15.8 120.79,14.09 v1(120.78,14.1) ; U28.1 110.49,6.37 109.08,7.78 109.08,9.81 110.36,11.09 U28.8 ; C80.1 116.68,116.56 PS1.8 ; 116.74,116.62 117.38,116.62 117.68,116.33 PS1.6
  1_F_TOP_Signal_Pwr w0.508: C110.2 109.84,13.3 v1(109.5,13.65) ; C110.2 109.92,13.3 v1(109.5,12.89) ; C110.2 110.71,13.16 U28.8 ; 116.74,116.62 115.94,117.42 C80.1 ; v1(130.56,17.23) 130.05,16.72 C74.1 ; C80.1 v1(115.06,116.67) ; C80.1 114.95,117.42 v1(114.94,117.43) ; U25.6 125.21,11.47 v1(125.72,10.96) ; C74.1 128.19,16.27 C55.1 128.12,16.25 128.12,18.32 ; C74.1 130.05,16.85 v1(129.67,17.23) ; v1(114.43,109.81) 115.69,111.07 C85.1 115.69,111.6 v1(114.94,112.35) ; U25.2 U25.3 ; U1.1 48.06,111.38 45.54,108.87 C63.1 ; 126.17,4.48 C77.2 126.06,3.72 v1(126.3,3.47) 126.3,4.43 v1(126.35,4.48) 126.17,4.48
  1_F_TOP_Signal_Pwr w1.27: C77.2 125.21,3.92 U25.3 ; v1(130.56,21.04) 130.56,22.69 v1(130.43,22.82) 130.57,22.96 C104.1
  7_Signal_Pwr w0.254: v1(120.78,14.1) 120.12,14.1 119.7,14.52
  7_Signal_Pwr w0.508: 48.29,107.62 47.63,106.96 46.23,106.96
  7_Signal_Pwr w1.27: 122.95,11.35 125.32,11.35 v1(125.72,10.96) ; 122.95,11.35 119.7,11.35 ; 122.95,11.35 128.83,17.23 v1(129.67,17.23) v1(130.56,17.23) 130.56,22.69 v1(130.43,22.82) ; 119.7,11.35 119.7,9.67 ; 119.7,11.35 119.7,14.52 ; v1(126.35,4.48) 124.89,4.48 ; 107.46,9.67 109.5,11.72 v1(109.5,12.89) v1(109.5,13.65) ; v1(114.94,117.43) 114.94,116.8 v1(115.06,116.67) 114.94,116.54 v1(114.94,112.35) 114.94,110.32 v1(114.43,109.81)
  7_Signal_Pwr w4: U1.1 48.29,107.62 55.62,100.29 73.08,100.29 ; 129.73,105.21 119.04,105.21 v1(114.43,109.81) 104.39,109.81 102.84,111.37 85.26,111.37 82.97,109.08 82.97,105.76 77.16,99.94 73.43,99.94 ; 73.43,99.94 73.08,100.29 ; 73.43,99.94 K1.5 ; 73.08,100.29 75.54,100.29
  7_Signal_Pwr w5: 145.21,105.21 145.21,108.48 J9.1 148.5,105.28 148.43,105.21 ; 145.21,105.21 148.43,105.21 ; 145.21,105.21 129.73,105.21 ; 148.43,105.21 PS3.3 ; PS3.3 150.65,96.72 PS3.3 ; PS3.3 132.46,105.21 ; 150.65,87.72 151.62,87.72 158.1,81.25 158.1,18.58 154.8,15.28 137.91,15.28 135.57,12.94 135.57,12.84 131.77,9.04 130.91,9.04 v1(126.35,4.48) 123.6,7.23 121.54,7.23 119.7,9.07 119.7,9.67 107.46,9.67 104.23,12.9 93.97,12.9 93.48,12.41 85.38,12.41 K2.5
  vias: v1(46.1,107.02)
-12V: length 315.9
  1_F_TOP_Signal_Pwr w0.254: C55.2 128.07,14.75 U15.2 U15.7 120.5,14.75 C87.1 ; R90.2 55.19,121.37 38.45,121.37 34.79,117.71 28.73,117.71 27.43,116.42 27.43,109.3 24.32,106.19 9.72,106.19 3.56,100.03 3.56,60.04 5.72,57.88 5.72,9.61 13.46,1.86 64.04,1.86 64.14,1.76 66.63,1.76 66.73,1.86 87.06,1.86 88,0.93 94.73,0.93 96.38,2.58 114.92,2.58 115.12,2.77 115.12,11.03 115.05,11.09 U28.5
  1_F_TOP_Signal_Pwr w0.508: C111.2 115.86,13.3 v1(116.21,13.65) ; C111.2 115.79,13.3 v1(116.21,12.89) ; C111.2 114.52,12.66 U28.5 ; v1(131.08,14.78) 130.68,14.37 C74.2 ; C74.2 131,14.37 v1(131.45,13.93) ; C74.2 129.75,14.68 C55.2
  5_Signal_Pwr w1.27: v1(116.21,13.65) v1(116.21,12.89) 126.41,12.89 127.46,13.93 v1(131.45,13.93) 131.08,14.29 v1(131.08,14.78)
/Power Meter/AFE_A/AGND_ADC: length 29.4
  1_F_TOP_Signal_Pwr w0.254: 28.34,22.54 28.34,21.81 ; 28.34,22.54 R43.2 ; 28.34,22.54 27.71,22.54 v1(27.69,22.56)
  1_F_TOP_Signal_Pwr w0.508: C13.1 18.39,21.51 C14.1 ; C13.1 20.14,22.24 ; C13.1 20.02,21.4 U11.10 ; C14.1 18.44,21.52 v1(19.18,20.78) ; C14.1 C17.1 ; v1(27.69,22.56) 28.23,22.56 28.34,22.46 ; C10.1 24.96,23.05 24.15,23.05 ; C16.1 20.14,22.24 ; 20.14,22.24 20.77,22.24 v1(20.83,22.18) ; v1(21.21,25.61) 21.99,26.39 FB3.1 21.99,25.63 v1(21.97,25.61) ; R43.2 28.34,22.46 ; 28.34,22.46 28.34,21.81 C12.1 ; v1(24.26,22.31) 24.15,22.41 24.15,23.05 ; 24.15,23.05 C9.2 ; v1(30.23,18.5) 30.18,18.54 U11.2 30.18,20.61 C11.2 31.39,21.81 R42.1 ; C15.1 C18.1 32.86,23.29 R42.1 ; R42.1 v1(30.64,23.29)
/Power Meter/AFE_A/V1P: length 8.4
  1_F_TOP_Signal_Pwr w0.254: U11.4 27.64,20.77 27.84,20.97 29,20.97 C11.1 29.79,23.24 R42.2 28.12,24.91 R39.1
/Power Meter/AFE_B/AGND_ADC: length 26.2
  1_F_TOP_Signal_Pwr w0.192: v1(19.31,85.94) 19.96,85.28 C33.2 ; v1(30.61,80.6) 30.26,80.25 FB10.1
  1_F_TOP_Signal_Pwr w0.508: v1(27.05,84.54) 27.04,84.53 27.04,83.9 ; C38.1 31.16,84.75 ; 31.16,84.75 C35.1 ; 31.16,84.75 v1(30.44,84.75) ; R57.1 19.96,83.72 C33.2 21.12,86.35 U13.2 ; R57.1 18.14,83.67 16.66,85.15 C40.1 C37.1 ; R57.1 20.43,83.67 v1(20.56,83.54) ; FB10.1 30.26,80.44 v1(29.97,80.73) ; v1(23.75,84.41) 23.64,84.3 23.01,84.3 ; C35.1 32.91,85.45 C36.1 C39.1 ; C35.1 31.28,85.56 U13.10 ; 23.01,84.3 C34.1 ; 23.01,84.3 23.01,83.72 R58.2 ; C32.1 27.04,83.9 ; 27.04,83.9 27.83,83.9 C31.2
/Power Meter/AFE_B/V1P: length 10.3
  1_F_TOP_Signal_Pwr w0.254: R54.1 24.75,80.48 R57.2 21.51,83.72 C33.1 22.44,86.12 23.59,86.12 23.66,86.18 U13.4
/Power Meter/AFE_C/AGND_ADC: length 26.9
  1_F_TOP_Signal_Pwr w0.192: FB14.1 54.38,81.39 v1(54.61,81.62) ; 40.32,84.22 v1(40.39,84.28)
  1_F_TOP_Signal_Pwr w0.254: 45.48,84.42 46.22,84.42 v1(46.29,84.35) ; 45.48,84.42 C46.1 ; 45.48,84.42 45.48,83.69 R68.2
  1_F_TOP_Signal_Pwr w0.508: FB14.1 54.38,81.22 v1(53.91,81.68) ; 53.63,84.83 53.12,84.83 v1(52.96,84.67) ; 53.63,84.83 C47.1 ; 53.63,84.83 C50.1 ; R67.1 42.43,83.69 C45.2 42.43,85.18 43.58,86.34 U14.2 ; R67.1 43.04,83.64 v1(43.05,83.65) ; R67.1 40.9,83.64 v1(40.39,84.28) ; C47.1 55.38,85.42 C48.1 C51.1 ; C47.1 53.74,85.53 U14.10 ; 40.32,84.22 C52.1 C49.1 ; C44.1 50.3,83.87 C43.2 49.68,84.52 v1(49.68,84.59) 49.51,84.59 C44.1
/Power Meter/AFE_C/V1P: length 11.7
  1_F_TOP_Signal_Pwr w0.254: U14.4 46.12,86.16 45.92,85.96 44.77,85.96 C45.1 44.03,85.11 R67.2 45.48,82.19 48.01,82.19 49.34,80.86
/Power Meter/Neutral AFE/AGND_ADC: length 21.3
  1_F_TOP_Signal_Pwr w0.254: U12.2 54.18,18.45 v1(54.1,18.37) ; v1(43.42,20.17) 43.93,19.66 U12.10 ; FB6.1 v1(43.9,24.04)
  1_F_TOP_Signal_Pwr w0.508: U12.2 54.18,21.65 C25.1 ; C25.1 54.01,21.64 R110.1 ; C25.1 C28.1 53.03,23.25 v1(53.02,23.26) ; C23.1 42.38,21.51 C24.1 C27.1 ; C23.1 C26.1 44.13,23.8 v1(43.9,24.04) ; C23.1 44.02,21.4 U12.10 ; C22.1 v1(48.42,22.25) 48.32,22.25 47.52,23.05 C21.2 ; FB6.1 v1(42.86,23.9)
/Power Meter/Neutral AFE/V1P: length 6.6
  1_F_TOP_Signal_Pwr w0.254: U12.4 51.64,20.84 ; 51.64,20.84 51.64,20.94 R110.2 50.37,21.07 U12.5 ; 51.64,20.84 51.75,20.72 52.52,20.72 52.91,20.33 U12.3
GND: length 259.5
  1_F_TOP_Signal_Pwr w0.192: v1(32,95.59) 31.28,96.32 U13.11 31.28,95.62 v1(31.24,95.59) ; v1(19.81,95.46) 19.85,95.49 U13.20 19.85,96.19 v1(20.58,95.46) ; U14.11 53.74,95.74 v1(53.59,95.59) ; v1(54.36,95.59) v1(55.12,95.59)
  1_F_TOP_Signal_Pwr w0.254: 80.87,6.66 80.97,6.56 D11.1 ; 80.87,6.66 80.58,6.94 ; 80.87,6.66 80.77,6.75 U9.8 80.58,7.13 ; 65.09,103.78 v1(64.77,103.46) ; 65.09,103.78 v1(64.77,104.1) ; 65.09,103.78 C65.2 ; v1(87.49,114.72) 87.47,114.7 C68.1 ; v1(125.02,15.4) 125.02,15.4 126.28,15.4 125.33,15.4 125.05,15.68 v1(125.05,16.04) 124.96,16.04 R71.2 ; v1(83.5,120.29) 82.49,119.27 J13.5 ; U27.8 73.85,101.18 D10.1 ; C81.2 48.69,106.89 ; C58.2 72.54,116.3 U16.47 ; v1(31.88,11.26) 31.45,10.84 U11.20 31.45,10.92 v1(31.12,11.26) ; v1(128.91,112.86) D36.1 ; U9.7 79.31,7.32 ; v1(54.72,106.27) 53.86,107.13 C89.2 53.72,106.64 52.15,105.06 48.64,105.06 ; C66.2 117.11,120.72 v1(118.11,119.72) ; C56.2 57.47,109.58 v1(57.49,109.61) ; C56.2 C62.2 56.38,109.57 v1(56.63,109.57) ; C56.2 58.14,109.8 U16.15 ; 18.34,54.65 U10.29 ; 18.34,54.65 U10.20 18.34,52.61 18.72,52.23 C4.1 ; 18.34,54.65 U10.23 19.77,54.63 21.64,54.63 C6.1 ; D3.3 v1(41.02,108.53) ; R92.2 54.43,122.14 C82.2 51.96,122.14 v1(51.94,122.13) ; v1(19.43,11.26) 20.02,10.67 U11.11 20.02,11.22 v1(20.07,11.26) ; D4.3 v1(33.66,108.67) ; v1(70.8,9.55) 70.42,9.16 R29.2 ; C87.2 118.08,14.44 v1(118.38,14.74) ; D16.3 v1(131.32,115.91) ; v1(66.66,122.4) 65.77,122.4 R17.2 ; R76.2 48.59,106.6 ; PS1.2 117.2,112.97 117.48,112.97 117.5,113 PS1.3 ; D2.3 v1(37.34,108.53) ; 62.12,120.11 61.97,119.96 U16.63 ; D9.3 124.21,113 v1(124.21,111.59) ; v1(83.93,98.27) 83.93,98.3 R114.2 ; U16.31 68.47,105.72 C57.2 ; U16.27 66.47,106 C64.2
  1_F_TOP_Signal_Pwr w0.508: U4.21 6.77,114.8 v1(6.73,114.77) ; U4.22 6.78,113.8 v1(6.73,113.75) ; v1(31.18,98.19) 31.28,98.1 U13.11 ; v1(75.44,116.29) 75.01,116.72 C60.2 ; 120.14,112.34 v1(119.76,111.96) ; 120.14,112.34 v1(120.52,111.96) ; 120.14,112.34 C84.2 ; v1(58.76,120.46) 59.06,120.17 C59.2 59.06,120.23 v1(59.44,120.61) ; v1(6.73,117.81) 6.75,117.8 U4.18 ; v1(18.42,121.88) 18.34,121.95 U4.13 ; v1(111.13,120.61) 111.13,121.46 J7.2 ; C53.1 38.99,96.87 v1(38.99,96.1) ; C53.1 38.91,97.11 v1(38.23,96.43) ; C53.1 41,98.88 C54.1 42.31,98.49 U14.20 ; v1(117.6,110.81) 117.24,111.18 C85.2 ; C5.1 23.8,55.27 v1(24.19,55.27) v1(24.19,54.63) 24.05,54.77 C5.1 ; C5.1 C6.1 ; v1(58.42,105.75) 58.81,105.35 C69.2 ; C41.1 19.45,100.45 C42.1 19.85,98.51 U13.20 ; C41.1 v1(18.61,100.48) ; C41.1 v1(19.48,101.23) ; v1(69.6,104.48) 68.89,105.19 C57.2 68.89,104.43 v1(68.96,104.35) ; v1(113.36,5.01) 113.25,5.13 U28.3 ; 117.86,117.42 v1(118.24,117.8) ; 117.86,117.42 v1(118.24,117.04) ; 117.86,117.42 C80.2 ; v1(53.27,98.05) 53.74,97.58 U14.11 ; C67.2 85.84,105.81 v1(85.46,105.44) 84.33,104.3 U20.5 ; C1.1 v1(82.49,9.8) ; C1.1 84.09,10.68 C2.1 v1(84.52,9.29) ; C1.1 80.85,9.04 ; 79.31,6.94 v1(79.31,8.78) 79.57,9.04 80.85,9.04 ; U3.4 61.15,97.11 v1(61.71,96.56) ; 80.58,6.94 v1(80.58,8.77) 80.85,9.04 ; U4.5 18.61,113.8 18.92,114.12 20.05,114.12 v1(20.07,114.13) ; C29.1 55.31,6.05 v1(55.55,5.81) ; C29.1 v1(56.04,6.74) ; C29.1 C30.1 55.45,8.41 U12.20 ; C111.1 113.61,14.36 v1(113.62,14.36) ; C85.2 117.24,111.21 ; C85.2 117.24,112.1 117.48,112.34 117.48,114.4 v1(117.44,114.44) PS1.11 ; C85.2 117.97,111.58 v1(117.98,111.59) ; v1(133.84,16.67) 133.84,15.93 D14.2 ; C77.1 122.41,3.67 v1(122.41,2.19) ; C95.1 70.48,97.87 v1(69.66,97.05) ; C95.1 70.98,97.44 C94.1 73.1,97.44 73.98,98.32 U27.8 ; C95.1 70.55,97.51 ; C19.1 32.32,6 v1(32.75,6) ; C19.1 32.29,6.5 v1(32.58,6.78) ; C19.1 31.85,6.52 C20.1 31.45,8.44 U11.20 ; C3.1 18.22,49.69 v1(18.09,49.69) 18.48,49.3 19.11,49.3 v1(19.28,49.13) 18.72,49.69 C3.1 ; C3.1 C4.1 ; U4.31 14.97,109.4 v1(15.53,108.84) ; v1(19.94,111.97) 19.8,112.11 C73.1 18.23,112.8 U4.4 ; 62.12,120.73 62.12,121.32 v1(61.73,121.7) ; 62.12,120.73 62.12,120.11 ; 62.12,120.73 62.12,121.25 v1(62.36,121.5) ; C58.2 C60.2 ; C60.2 75.11,116.72 v1(75.44,117.05) ; v1(18.42,119.97) 18.24,119.8 U4.11 ; U4.10 18.88,118.8 C75.1 C72.1 v1(20.45,119.72) ; U4.12 18.36,120.8 v1(18.42,120.86) ; 23.05,57.42 v1(23.69,58.06) ; v1(112.5,113.97) 112.4,113.87 112.4,112.48 ; v1(6.73,120.73) 6.8,120.8 U4.15 ; C86.1 129.14,18.32 129.02,18.45 ; U11.11 20.02,8.8 v1(20,8.78) ; Y1.2 23.01,57.45 ; R99.2 122.24,10.77 v1(122.78,10.22) 122.67,10.34 U25.8 ; C110.1 112.12,14.28 v1(112.09,14.31) ; D15.1 8.99,108.67 v1(9.27,108.67) 10,109.4 U4.27 ; v1(124.21,111.59) 123.7,111.08 R15.2 123.83,111.08 v1(124.21,110.7) ; U27.8 73.98,103.4 v1(73.85,103.53) ; U27.8 U27.7 v1(75.25,103.53) ; Y1.4 24.59,61.47 C7.1 v1(25.59,63.27) ; v1(6.73,116.8) 6.73,116.8 U4.19 ; U12.11 44.02,8.9 v1(44.13,8.78) ; D8.3 v1(132.84,22.94) ; C64.2 C65.2 ; C63.2 43.99,110.09 U1.2 ; v1(6.73,121.88) 6.81,121.95 U4.14 ; Y2.4 55.07,115.35 C71.1 55.56,113.94 v1(55.82,114.19) ; Y2.2 53.19,118.69 C70.1 52.77,119.02 v1(52.64,119.15) ; R98.2 v1(127.49,1.69)
  1_F_TOP_Signal_Pwr w1.27: v1(127.89,24.85) 128.02,24.98 C104.2 128.92,24.88 128.92,22.88 128.83,22.78 C79.2 126.91,22.7 123.43,22.7 121.67,24.47 U29.5 ; C111.1 C110.1 ; 104.17,112.42 112.34,112.42 112.4,112.48
  3_VCC3V3 w0.192: 52.78,98.58 52.78,98.54 v1(53.27,98.05)
  8_B_BOTTOM_GND w0.192: v1(53.59,95.59) v1(54.36,95.59)
  8_B_BOTTOM_GND w0.508: 59.18,120.23 58.95,120.46 v1(58.76,120.46)
  vias: v1(0.38,94.52) v1(0.38,89.19) v1(0.38,83.09) v1(0.38,77) v1(0.38,70.14) v1(0.38,62.27) v1(0.38,56.42) v1(0.38,48.8) v1(0.38,38.14) v1(0.38,27.98) v1(0.38,17.63) v1(0.51,11.97) v1(0.87,111.54) v1(0.87,105.7) v1(0.91,99.75) v1(1.13,116.62) v1(1.13,6.64) v1(2.78,6.26) v1(3.48,1.05) v1(4.68,103.67) v1(6.21,1.05) v1(7.22,105.95) v1(8.24,92.75) v1(8.24,86.9) v1(8.24,79.28) v1(8.24,69.12) v1(8.56,39.66) v1(8.56,33.31) v1(8.56,25.44) v1(8.62,16.99) v1(9.76,43.47) v1(10.02,116.37) v1(10.02,114.08) v1(11.29,95.54) v1(12.05,65.82) v1(12.62,10.83) v1(14.59,116.37) v1(14.84,95.79) v1(15.61,110.78) v1(15.72,10.73) v1(16.62,43.47) v1(17.38,96.05) v1(17.38,55.65) v1(17.89,63.54) v1(19.16,108.49) v1(21.45,122.21) v1(22.46,65.82) v1(22.46,43.47) v1(23.99,118.65) v1(24.24,108.49) v1(25.51,53.88) v1(25.77,122.21) v1(25.77,58.46) v1(27.8,43.47) v1(28.05,110.53) v1(28.05,50.07) v1(32.37,115.1) v1(33.13,8.67) v1(33.39,122.21) v1(33.39,43.47) v1(33.64,47.53) v1(34.66,10.7) v1(35.93,117.64) v1(35.93,8.67) v1(38.47,122.21) v1(40.24,8.67) v1(40.5,10.7) v1(42.28,117.64) v1(46.59,122.21) v1(49.39,117.64) v1(58.28,10.7) v1(61.58,110.27) v1(61.83,10.7) v1(62.34,116.37) v1(64.63,116.11) v1(64.63,93.76) v1(64.88,110.27) v1(65.14,12.48) v1(65.39,113.07) v1(66.41,0.67) v1(67.93,109.51) v1(68.18,91.98) v1(68.18,89.7) v1(68.69,113.32) v1(68.95,19.09) v1(69.45,116.37) v1(69.96,93.25) v1(75.3,0.61) v1(76.57,19.09) v1(77.84,89.7) v1(82.92,94.02) v1(83.68,19.09) v1(84.69,89.7) v1(85.2,0.61) v1(90.03,99.6) v1(90.03,97.32) v1(93.08,19.09) v1(96.38,0.54) v1(99.93,19.09) v1(103.38,122.77) v1(106.28,19.09) v1(106.94,112.48) v1(107.55,0.54) v1(114.05,92.67) v1(114.3,99.53) v1(114.3,84.92) v1(116.44,27.09) v1(116.44,0.54) v1(120.76,93.25) v1(120.76,85.38) v1(124.06,27.47) v1(125.84,0.54) v1(129.14,18.45) v1(129.91,93.51) v1(130.16,85.38) v1(131.94,122.72) v1(132.95,27.34) v1(133.22,109.81) v1(135.13,114.64) v1(135.49,0.54) v1(137.78,93.51) v1(138.03,85.38) v1(141.59,27.47) v1(143.11,79.79) v1(144.89,0.54) v1(145.4,66.84) v1(145.65,73.7) v1(146.42,122.46) v1(146.42,101.64) v1(146.92,94.02) v1(147.18,60.23) v1(150.73,26.96) v1(150.73,1.05) v1(150.99,75.73) v1(150.99,68.87) v1(150.99,60.49) v1(151.24,83.35) v1(151.24,22.9) v1(151.24,18.83) v1(151.24,8.42)
